# Altium PCB OMD_60V_REF_1.PcbDoc (part 3 of 6)
Units mm, origin at the board's own origin, x right, y up, seen from the top; angles counter-clockwise.
Board outline 71.95 x 71.94 mm, 6 copper layers (Top Layer, L2, L3, L4, L5, Bottom Layer), stack 2.309 mm thick; 139 components, 113 nets, 809 pads, 9892 vias.
Unrouted connection lines stored in the file: 1.
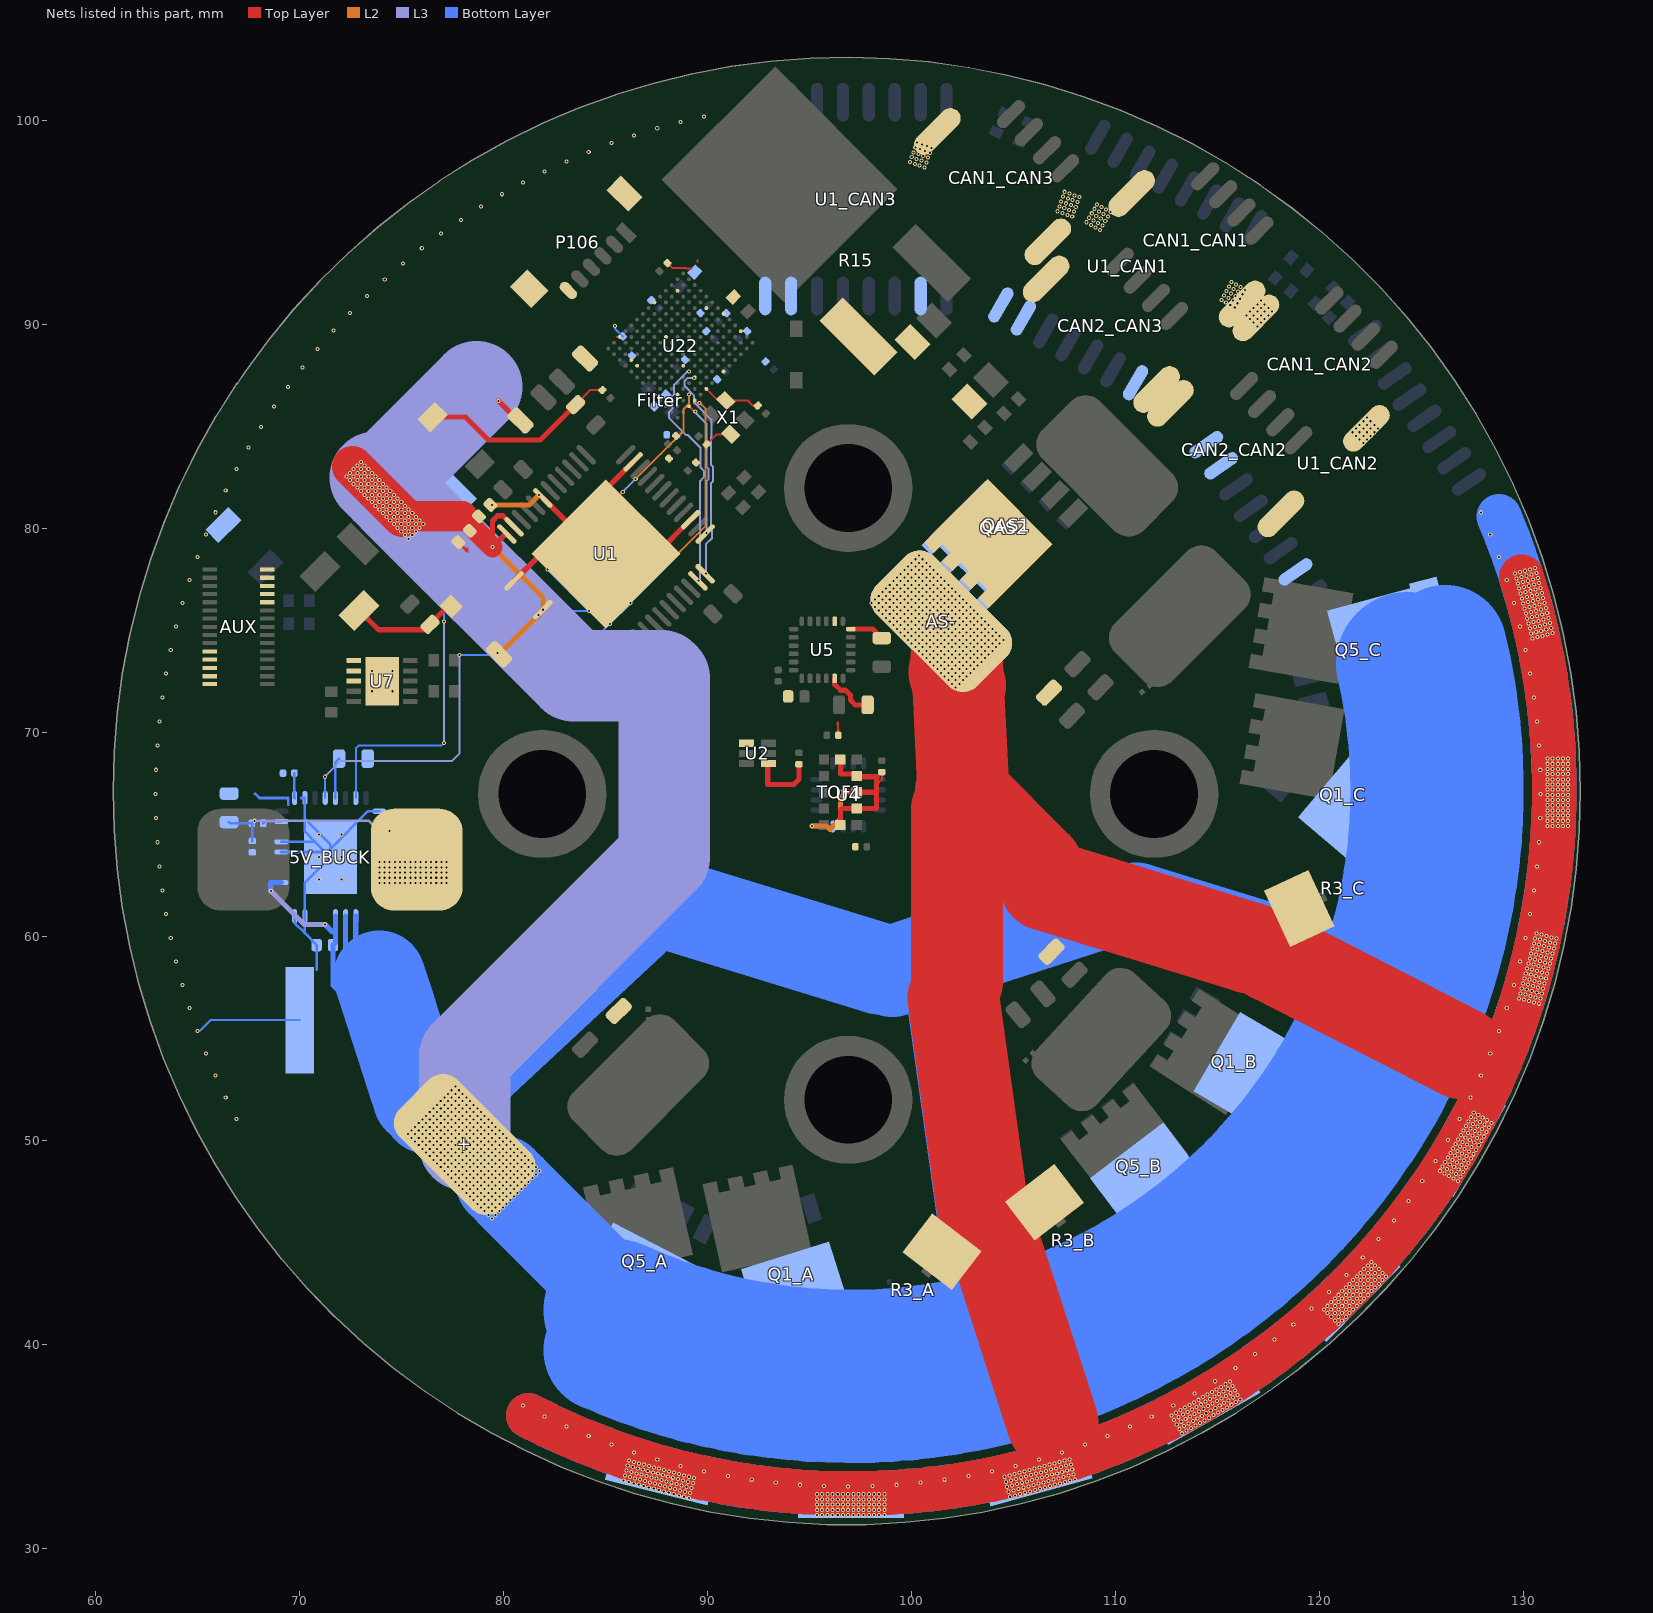
[diagram p7: the nets of this part, all layers, seen from the top]

## Via types
v1: diameter 0.2, hole 0.1, Top Layer to L2, tented both sides, 3354 vias
v2: diameter 0.2, hole 0.1, L2 to L3, tented both sides, 3246 vias
v3: diameter 0.2, hole 0.1, L3 to Bottom Layer, tented both sides, 3236 vias
v4: diameter 0.2, hole 0.1, L2 to L3, 40 vias
v5: diameter 0.2, hole 0.1, L3 to Bottom Layer, 8 vias
v6: diameter 0.2, hole 0.1, Top Layer to L2, 6 vias
v7: diameter 0.2, hole 0.1, Top Layer to L3, 2 vias

## Nets (pads, with @x,y where several pads share a name; then routed paths per layer and width w, separated by ;. In a path a pad name is that pad's centre, name@x,y a point inside that pad or via, vN(x,y) a via of type N, cw(c..) or ccw(c..) an arc to the next point about the centre after c; other vN are vias at no path point) (continued)
GND: (continued)
  other v3: 95.377,31.623 95.631,31.623 95.885,31.623 96.139,31.623 96.393,31.623 96.647,31.623 96.901,31.623 97.155,31.623 97.409,31.623 97.663,31.623 97.917,31.623 98.171,31.623 98.425,31.623 98.679,31.623 95.377,31.877 95.631,31.877 95.885,31.877 96.139,31.877 96.393,31.877 96.647,31.877 96.901,31.877 97.155,31.877 97.409,31.877 97.663,31.877 97.917,31.877 98.171,31.877 98.425,31.877 98.679,31.877 95.377,32.131 95.631,32.131 95.885,32.131 96.139,32.131 96.393,32.131 96.647,32.131 96.901,32.131 97.155,32.131 97.409,32.131 97.663,32.131 97.917,32.131 98.171,32.131 98.425,32.131 98.679,32.131 95.377,32.385 95.631,32.385 95.885,32.385 96.139,32.385 96.393,32.385 96.647,32.385 96.901,32.385 97.155,32.385 97.409,32.385 97.663,32.385 97.917,32.385 98.171,32.385 98.425,32.385 98.679,32.385 89.089,32.45 88.844,32.516 104.831,32.516 88.598,32.582 105.077,32.582 88.353,32.647 95.377,32.639 95.631,32.639 95.885,32.639 96.139,32.639 96.393,32.639 96.647,32.639 96.901,32.639 97.155,32.639 97.409,32.639 97.663,32.639 97.917,32.639 98.171,32.639 98.425,32.639 98.679,32.639 105.322,32.647 89.155,32.695 88.108,32.713 105.567,32.713 88.909,32.761 104.766,32.761 87.862,32.779 105.813,32.779 88.664,32.827 105.011,32.827 87.617,32.845 106.058,32.845 88.419,32.893 105.256,32.893 87.372,32.91 106.304,32.91 89.22,32.941 87.126,32.976 88.173,32.958 105.502,32.958 106.549,32.976 88.975,33.007 104.7,33.007 87.928,33.024 96.903,33.02 105.747,33.024 86.881,33.042 95.718,33.041 98.088,33.041 106.794,33.042 88.73,33.072 104.945,33.072 86.635,33.108 87.683,33.09 94.534,33.103 99.271,33.103 105.992,33.09 107.04,33.108 87.437,33.156 88.484,33.138 105.191,33.138 106.238,33.156 86.39,33.173 107.285,33.173 88.239,33.204 89.286,33.186 93.353,33.206 100.452,33.206 105.436,33.204 87.192,33.221 106.483,33.221 86.145,33.239 89.041,33.252 104.634,33.252 107.53,33.239 87.994,33.269 105.681,33.27 85.899,33.305 86.947,33.287 106.728,33.287 107.776,33.305 87.748,33.335 88.795,33.318 104.88,33.318 105.927,33.335 86.701,33.353 92.177,33.35 101.628,33.35 106.974,33.353 88.55,33.383 105.125,33.383 108.021,33.37 87.503,33.401 106.172,33.401 86.456,33.419 89.352,33.431 107.219,33.419 88.305,33.449 105.37,33.449 86.211,33.484 87.258,33.467 106.417,33.467 107.464,33.484 88.059,33.515 89.107,33.497 104.568,33.497 105.616,33.515 87.012,33.532 91.007,33.536 102.799,33.536 106.663,33.532 85.965,33.55 88.861,33.563 104.814,33.563 107.71,33.55 87.814,33.581 105.861,33.581 86.767,33.598 106.908,33.598 107.955,33.616 88.616,33.629 105.059,33.629 86.522,33.664 87.569,33.646 106.106,33.646 107.153,33.664 87.323,33.712 88.371,33.694 105.304,33.694 106.352,33.712 86.276,33.73 107.399,33.73 88.125,33.76 89.843,33.762 103.962,33.762 105.55,33.76 87.078,33.778 106.597,33.778 86.031,33.795 107.644,33.795 86.833,33.844 87.88,33.826 105.795,33.826 106.842,33.844 107.889,33.861 87.635,33.892 106.041,33.892 86.587,33.909 107.088,33.909 87.389,33.957 106.286,33.957 86.342,33.975 107.333,33.975 87.144,34.023 106.531,34.023 86.097,34.041 88.688,34.029 105.117,34.029 107.578,34.041 86.898,34.089 106.777,34.089 107.824,34.107 86.653,34.155 107.022,34.155 86.408,34.22 107.267,34.22 86.162,34.286 107.513,34.286 87.544,34.335 106.262,34.335 107.758,34.352 86.41,34.682 107.395,34.682 85.29,35.068 108.516,35.068 84.183,35.492 109.622,35.492 113.268,35.628 113.488,35.755 113.141,35.848 113.708,35.882 83.092,35.955 110.713,35.955 113.361,35.975 113.928,36.009 113.014,36.068 113.581,36.102 114.148,36.136 113.234,36.195 113.801,36.229 114.368,36.263 112.887,36.288 113.454,36.322 114.021,36.356 114.588,36.39 113.107,36.415 82.018,36.456 111.787,36.456 113.674,36.449 114.241,36.483 112.76,36.508 114.808,36.517 113.327,36.542 113.894,36.576 114.461,36.61 112.98,36.635 115.028,36.644 113.547,36.669 114.114,36.703 114.681,36.737 113.2,36.762 115.248,36.771 113.767,36.796 114.334,36.83 114.901,36.864 113.42,36.889 115.468,36.898 113.987,36.923 114.554,36.957 80.962,36.994 112.843,36.994 115.121,36.991 113.64,37.016 115.688,37.025 114.207,37.05 114.774,37.084 115.341,37.118 113.86,37.143 115.908,37.152 114.427,37.177 114.994,37.211 115.561,37.245 114.08,37.27 116.128,37.279 114.647,37.304 115.214,37.338 115.781,37.372 114.3,37.397 114.867,37.431 115.434,37.465 116.001,37.499 114.52,37.524 113.88,37.569 115.087,37.558 115.654,37.592 114.74,37.651 115.307,37.685 115.874,37.719 114.96,37.778 115.527,37.812 115.18,37.905 115.747,37.939 115.4,38.032 115.62,38.159 114.896,38.179 115.89,38.825 116.86,39.505 117.807,40.218 118.728,40.964 120.948,40.981 120.768,41.161 121.127,41.161 120.588,41.34 120.948,41.34 121.307,41.34 120.409,41.52 120.768,41.52 121.127,41.52 121.486,41.52 120.229,41.7 120.588,41.7 120.948,41.7 121.307,41.7 121.666,41.7 119.622,41.741 120.409,41.879 120.768,41.879 121.127,41.879 121.486,41.879 121.846,41.879 120.588,42.059 120.948,42.059 121.307,42.059 121.666,42.059 122.025,42.059 120.768,42.238 121.127,42.238 121.486,42.238 121.846,42.238 122.205,42.238 120.948,42.418 121.307,42.418 121.666,42.418 122.025,42.418 122.384,42.418 120.489,42.55 121.127,42.598 121.486,42.598 121.846,42.598 122.205,42.598 122.564,42.598 121.307,42.777 121.666,42.777 122.025,42.777 122.384,42.777 122.744,42.777 121.486,42.957 121.846,42.957 122.205,42.957 122.564,42.957 122.923,42.957 121.666,43.136 122.025,43.136 122.384,43.136 122.744,43.136 123.103,43.136 121.846,43.316 122.205,43.316 122.564,43.316 122.923,43.316 123.282,43.316 121.327,43.388 122.025,43.496 122.384,43.496 122.744,43.496 123.103,43.496 122.205,43.675 122.564,43.675 122.923,43.675 122.384,43.855 122.744,43.855 122.564,44.034 122.135,44.254 122.913,45.149 123.659,46.07 124.372,47.016 125.052,47.987 126.805,47.99 126.585,48.117 126.932,48.21 126.365,48.244 126.712,48.337 126.145,48.371 127.059,48.43 126.492,48.464 125.925,48.498 126.839,48.557 126.272,48.591 127.186,48.65 126.619,48.684 126.052,48.718 126.966,48.777 126.399,48.811 127.313,48.87 126.746,48.904 126.179,48.938 125.697,48.981 127.093,48.997 126.526,49.031 127.44,49.09 126.873,49.124 126.306,49.158 127.22,49.217 126.653,49.251 127.567,49.31 127,49.344 126.433,49.378 127.347,49.437 126.78,49.471 127.694,49.53 127.127,49.564 126.56,49.598 127.474,49.657 126.907,49.691 127.821,49.75 127.254,49.784 126.687,49.818 127.601,49.877 127.034,49.911 127.948,49.97 126.308,49.997 127.381,50.004 126.814,50.038 127.728,50.097 127.161,50.131 128.075,50.19 127.508,50.224 126.941,50.258 127.855,50.317 127.288,50.351 128.202,50.41 127.635,50.444 127.068,50.478 127.982,50.537 127.415,50.571 128.329,50.63 127.762,50.664 127.195,50.698 128.109,50.757 127.542,50.791 128.456,50.85 127.889,50.884 127.322,50.918 128.236,50.977 127.669,51.011 66.923,51.034 126.882,51.034 128.016,51.104 127.449,51.138 127.796,51.231 127.576,51.358 66.385,52.09 127.42,52.09 65.884,53.164 127.921,53.164 65.421,54.255 128.384,54.255 64.996,55.361 128.809,55.361 64.61,56.482 129.195,56.482 130.779,56.689 130.534,56.755 130.289,56.821 130.043,56.887 129.798,56.952 130.845,56.935 130.6,57.001 130.354,57.066 130.109,57.132 130.911,57.18 129.864,57.198 130.665,57.246 130.42,57.312 130.175,57.377 130.976,57.425 129.929,57.443 130.731,57.491 130.486,57.557 64.264,57.615 129.541,57.615 130.24,57.623 129.995,57.688 131.042,57.671 130.797,57.737 130.552,57.802 130.306,57.868 131.108,57.916 130.061,57.934 130.863,57.982 130.617,58.048 130.372,58.113 131.174,58.162 130.127,58.179 130.928,58.227 130.683,58.293 130.438,58.359 131.239,58.407 130.192,58.424 130.994,58.473 130.749,58.538 130.503,58.604 131.305,58.652 130.258,58.67 131.06,58.718 63.957,58.76 129.848,58.76 130.814,58.784 130.569,58.849 130.324,58.915 131.371,58.898 131.126,58.963 130.88,59.029 130.635,59.095 131.437,59.143 130.39,59.161 131.191,59.209 130.946,59.274 130.701,59.34 131.502,59.388 130.455,59.406 131.257,59.454 131.012,59.52 130.766,59.585 130.521,59.651 131.568,59.634 131.323,59.699 131.077,59.765 130.832,59.831 131.634,59.879 130.587,59.897 63.69,59.915 130.115,59.915 131.389,59.945 131.143,60.01 130.898,60.076 130.653,60.142 63.464,61.078 130.341,61.078 63.279,62.249 130.526,62.249 70.964,62.777 72.064,62.777 63.134,63.425 130.671,63.425 70.964,63.877 72.064,63.877 63.031,64.606 130.774,64.606 70.964,64.977 72.064,64.977 95.123,65.405 131.191,65.405 131.445,65.405 131.699,65.405 131.953,65.405 132.207,65.405 131.191,65.659 131.445,65.659 131.699,65.659 131.953,65.659 132.207,65.659 62.969,65.789 130.836,65.789 131.191,65.913 131.445,65.913 131.699,65.913 131.953,65.913 132.207,65.913 131.191,66.167 131.445,66.167 131.699,66.167 131.953,66.167 132.207,66.167 131.191,66.421 131.445,66.421 131.699,66.421 131.953,66.421 132.207,66.421 131.191,66.675 131.445,66.675 131.699,66.675 131.953,66.675 132.207,66.675 131.191,66.929 131.445,66.929 131.699,66.929 131.953,66.929 132.207,66.929 62.948,66.974 130.857,66.974 131.191,67.183 131.445,67.183 131.699,67.183 131.953,67.183 132.207,67.183 131.191,67.437 131.445,67.437 131.699,67.437 131.953,67.437 132.207,67.437 131.191,67.691 131.445,67.691 131.699,67.691 131.953,67.691 132.207,67.691 131.191,67.945 131.445,67.945 131.699,67.945 131.953,67.945 132.207,67.945 62.969,68.159 130.836,68.159 131.191,68.199 131.445,68.199 131.699,68.199 131.953,68.199 132.207,68.199 131.191,68.453 131.445,68.453 131.699,68.453 131.953,68.453 132.207,68.453 131.191,68.707 131.445,68.707 131.699,68.707 131.953,68.707 132.207,68.707 63.031,69.343 130.774,69.343 63.134,70.523 130.671,70.523 63.279,71.7 130.526,71.7 73.553,72.009 74.553,72.009 102.175,72.196 101.995,72.376 102.355,72.376 101.816,72.555 102.175,72.555 102.534,72.555 101.636,72.735 101.995,72.735 102.355,72.735 102.714,72.735 63.464,72.87 130.341,72.87 101.456,72.915 101.816,72.915 102.175,72.915 102.534,72.915 102.893,72.915 73.553,73.009 74.553,73.009 101.277,73.094 101.636,73.094 101.995,73.094 102.355,73.094 102.714,73.094 103.073,73.094 101.097,73.274 101.456,73.274 101.816,73.274 102.175,73.274 102.534,73.274 102.893,73.274 103.253,73.274 100.918,73.453 101.277,73.453 101.636,73.453 101.995,73.453 102.355,73.453 102.714,73.453 103.073,73.453 103.432,73.453 100.738,73.633 101.097,73.633 101.456,73.633 101.816,73.633 102.175,73.633 102.534,73.633 102.893,73.633 103.253,73.633 103.612,73.633 100.558,73.813 100.918,73.813 101.277,73.813 101.636,73.813 101.995,73.813 102.355,73.813 102.714,73.813 103.073,73.813 103.432,73.813 103.791,73.813 100.379,73.992 100.738,73.992 101.097,73.992 101.456,73.992 101.816,73.992 102.175,73.992 102.534,73.992 102.893,73.992 103.253,73.992 103.612,73.992 103.971,73.992 63.69,74.034 130.115,74.034 100.199,74.172 100.558,74.172 100.918,74.172 101.277,74.172 101.636,74.172 101.995,74.172 102.355,74.172 102.714,74.172 103.073,74.172 103.432,74.172 103.791,74.172 104.151,74.172 100.02,74.351 100.379,74.351 100.738,74.351 101.097,74.351 101.456,74.351 101.816,74.351 102.175,74.351 102.534,74.351 102.893,74.351 103.253,74.351 103.612,74.351 103.971,74.351 104.33,74.351 99.84,74.531 100.199,74.531 100.558,74.531 100.918,74.531 101.277,74.531 101.636,74.531 101.995,74.531 102.355,74.531 102.714,74.531 103.073,74.531 103.432,74.531 103.791,74.531 104.151,74.531 104.51,74.531 130.46,74.596 130.705,74.662 99.66,74.711 100.02,74.711 100.379,74.711 100.738,74.711 101.097,74.711 101.456,74.711 101.816,74.711 102.175,74.711 102.534,74.711 102.893,74.711 103.253,74.711 103.612,74.711 103.971,74.711 104.33,74.711 130.95,74.728 131.196,74.794 130.394,74.842 131.441,74.859 99.481,74.89 99.84,74.89 100.199,74.89 100.558,74.89 100.918,74.89 101.277,74.89 101.636,74.89 101.995,74.89 102.355,74.89 102.714,74.89 103.073,74.89 103.432,74.89 103.791,74.89 104.151,74.89 130.639,74.908 130.885,74.973 131.13,75.039 99.301,75.07 99.66,75.07 100.02,75.07 100.379,75.07 100.738,75.07 101.097,75.07 101.456,75.07 101.816,75.07 102.175,75.07 102.534,75.07 102.893,75.07 103.253,75.07 103.612,75.07 103.971,75.07 130.328,75.087 131.375,75.105 130.574,75.153 63.957,75.188 129.848,75.188 130.819,75.219 99.122,75.249 99.481,75.249 99.84,75.249 100.199,75.249 100.558,75.249 100.918,75.249 101.277,75.249 101.636,75.249 101.995,75.249 102.355,75.249 102.714,75.249 103.073,75.249 103.432,75.249 103.791,75.249 131.064,75.284 130.263,75.332 131.31,75.35 130.508,75.398 98.942,75.429 99.301,75.429 99.66,75.429 100.02,75.429 100.379,75.429 100.738,75.429 101.097,75.429 101.456,75.429 101.816,75.429 102.175,75.429 102.534,75.429 102.893,75.429 103.253,75.429 103.612,75.429 130.753,75.464 130.999,75.53 130.197,75.578 131.244,75.595 98.762,75.609 99.122,75.609 99.481,75.609 99.84,75.609 100.199,75.609 100.558,75.609 100.918,75.609 101.277,75.609 101.636,75.609 101.995,75.609 102.355,75.609 102.714,75.609 103.073,75.609 103.432,75.609 130.442,75.644 130.687,75.709 130.933,75.775 98.583,75.788 98.942,75.788 99.301,75.788 99.66,75.788 100.02,75.788 100.379,75.788 100.738,75.788 101.097,75.788 101.456,75.788 101.816,75.788 102.175,75.788 102.534,75.788 102.893,75.788 103.253,75.788 130.131,75.823 131.178,75.841 130.376,75.889 130.622,75.955 98.403,75.968 98.762,75.968 99.122,75.968 99.481,75.968 99.84,75.968 100.199,75.968 100.558,75.968 100.918,75.968 101.277,75.968 101.636,75.968 101.995,75.968 102.355,75.968 102.714,75.968 103.073,75.968 130.867,76.02 130.065,76.069 131.112,76.086 130.311,76.134 98.224,76.147 98.583,76.147 98.942,76.147 99.301,76.147 99.66,76.147 100.02,76.147 100.379,76.147 100.738,76.147 101.097,76.147 101.456,76.147 101.816,76.147 102.175,76.147 102.534,76.147 102.893,76.147 130.556,76.2 130.801,76.266 130,76.314 64.264,76.333 98.044,76.327 98.403,76.327 98.762,76.327 99.122,76.327 99.481,76.327 99.84,76.327 100.199,76.327 100.558,76.327 100.918,76.327 101.277,76.327 101.636,76.327 101.995,76.327 102.355,76.327 102.714,76.327 129.541,76.333 131.047,76.331 130.245,76.38 130.49,76.445 98.224,76.507 98.583,76.507 98.942,76.507 99.301,76.507 99.66,76.507 100.02,76.507 100.379,76.507 100.738,76.507 101.097,76.507 101.456,76.507 101.816,76.507 102.175,76.507 102.534,76.507 130.736,76.511 129.934,76.559 130.981,76.577 130.179,76.625 98.403,76.686 98.762,76.686 99.122,76.686 99.481,76.686 99.84,76.686 100.199,76.686 100.558,76.686 100.918,76.686 101.277,76.686 101.636,76.686 101.995,76.686 102.355,76.686 130.425,76.691 130.67,76.756 129.868,76.805 130.915,76.822 98.583,76.866 98.942,76.866 99.301,76.866 99.66,76.866 100.02,76.866 100.379,76.866 100.738,76.866 101.097,76.866 101.456,76.866 101.816,76.866 102.175,76.866 130.113,76.87 130.359,76.936 130.604,77.002 98.762,77.045 99.122,77.045 99.481,77.045 99.84,77.045 100.199,77.045 100.558,77.045 100.918,77.045 101.277,77.045 101.636,77.045 101.995,77.045 129.802,77.05 130.849,77.068 130.048,77.116 130.293,77.181 98.942,77.225 99.301,77.225 99.66,77.225 100.02,77.225 100.379,77.225 100.738,77.225 101.097,77.225 101.456,77.225 101.816,77.225 130.538,77.247 129.737,77.295 130.784,77.313 129.982,77.361 99.122,77.405 99.481,77.405 99.84,77.405 100.199,77.405 100.558,77.405 100.918,77.405 101.277,77.405 101.636,77.405 130.227,77.427 64.61,77.467 129.195,77.467 130.473,77.492 129.671,77.541 130.718,77.558 99.301,77.584 99.66,77.584 100.02,77.584 100.379,77.584 100.738,77.584 101.097,77.584 101.456,77.584 129.916,77.606 130.162,77.672 130.407,77.738 99.481,77.764 99.84,77.764 100.199,77.764 100.558,77.764 100.918,77.764 101.277,77.764 129.605,77.786 130.652,77.804 129.85,77.852 130.096,77.917 99.66,77.943 100.02,77.943 100.379,77.943 100.738,77.943 101.097,77.943 130.341,77.983 130.587,78.049 99.84,78.123 100.199,78.123 100.558,78.123 100.918,78.123 100.02,78.303 100.379,78.303 100.738,78.303 100.199,78.482 100.558,78.482 64.996,78.587 128.809,78.587 100.379,78.662 65.421,79.694 128.384,79.694 65.884,80.785 127.921,80.785 66.385,81.859 66.923,82.915 67.497,83.951 122.165,84.17 121.985,84.35 122.345,84.35 121.806,84.529 122.165,84.529 122.524,84.529 121.626,84.709 121.985,84.709 122.345,84.709 122.704,84.709 121.806,84.889 122.165,84.889 122.524,84.889 122.883,84.889 68.108,84.967 121.985,85.068 122.345,85.068 122.704,85.068 122.165,85.248 122.524,85.248 122.345,85.427 68.753,85.961 69.433,86.932 70.146,87.878 70.892,88.8 71.67,89.694 116.964,89.901 85.471,89.916 116.785,90.081 117.144,90.081 116.605,90.26 116.964,90.26 117.324,90.26 116.426,90.44 116.785,90.44 117.144,90.44 117.503,90.44 72.478,90.561 116.605,90.619 116.964,90.619 117.324,90.619 117.683,90.619 115.858,90.814 116.785,90.799 117.144,90.799 117.503,90.799 115.638,90.941 116.964,90.979 117.324,90.979 115.985,91.034 115.418,91.068 115.765,91.161 117.144,91.158 115.198,91.195 116.112,91.254 115.545,91.288 73.316,91.399 115.892,91.381 115.325,91.415 116.239,91.474 115.672,91.508 116.019,91.601 115.452,91.635 116.366,91.694 115.799,91.728 116.146,91.821 115.579,91.855 115.926,91.948 115.706,92.075 74.183,92.207 75.077,92.985 75.998,93.73 76.945,94.444 109.254,94.624 109.034,94.751 109.381,94.844 108.814,94.878 109.161,94.971 108.594,95.005 109.508,95.064 108.941,95.098 77.916,95.123 109.288,95.191 108.721,95.225 107.889,95.284 109.635,95.284 109.068,95.318 107.65,95.37 109.415,95.411 107.411,95.457 108.848,95.445 109.762,95.504 107.976,95.522 109.195,95.538 107.173,95.544 107.737,95.609 109.542,95.631 108.975,95.665 107.498,95.696 78.91,95.769 108.062,95.761 109.322,95.758 107.26,95.783 107.824,95.848 109.102,95.885 107.585,95.935 107.346,96.022 108.149,96 107.911,96.086 107.672,96.173 108.236,96.238 107.433,96.26 107.998,96.325 79.926,96.379 107.759,96.412 107.52,96.499 80.962,96.954 82.018,97.492 100.65,97.697 100.411,97.783 100.172,97.87 100.737,97.935 99.934,97.957 83.092,97.993 100.498,98.022 100.259,98.109 100.823,98.174 100.021,98.196 100.585,98.261 100.346,98.348 100.107,98.435 100.91,98.413 84.183,98.456 100.672,98.499 100.433,98.586 100.997,98.651 100.194,98.673 100.759,98.738 100.52,98.825 85.29,98.881 100.281,98.912 86.41,99.267 87.544,99.613 88.688,99.92 89.843,100.186
I_A: U1.25 U22.M13 | length 6.8
  Top Layer w0.1: U22.M13@89.101,85.987 89.363,85.725 v4(89.408,85.725) ; U1.25@89.891,79.718 v4(89.952,79.778)
  L3 w0.1: v4(89.408,85.725) 89.363,85.725 89.952,85.136 89.952,83.018 90.059,82.911 90.059,82.411 89.952,82.305 v4(89.952,79.778)
  other v1: 89.952,79.778 89.408,85.725
I_B: U1.24 U22.J11 | length 10.8
  Top Layer w0.1: U1.24@89.891,77.773 v4(89.922,77.773)
  L3 w0.1: v1(89.356,87.374) 89.039,87.374 88.877,87.211 88.877,86.982 89.351,86.507 89.351,86.155 89.377,86.129 89.396,86.129 90.2,85.325 90.2,84.479 90.179,84.458 90.179,83.112 90.286,83.005 90.286,82.317 90.179,82.211 90.179,79.943 90.229,79.893 90.229,79.517 89.922,79.21 v4(89.922,77.773)
  other v1: 89.922,77.773
  other v4: 89.356,87.374
I_C: U1.23 U22.J10 | length 11.6
  Top Layer w0.1: U1.23@89.538,77.42 v4(89.562,77.444)
  L3 w0.1: v4(89.101,87.684) 89.011,87.684 88.369,87.042 88.369,86.58 88.238,86.449 88.269,86.418 88.269,86.113 88.288,86.094 88.288,85.864 88.111,85.687 88.111,85.417 88.946,84.582 89.027,84.582 89.662,83.947 89.662,82.987 89.832,82.817 89.832,82.505 89.645,82.319 89.645,77.527 v4(89.562,77.444)
  other v1: 89.562,77.444 89.101,87.684
MCU_BATT_IN: 5V_BUCK.3 5V_BUCK.30 5V_BUCK.31 5V_BUCK.32 +.1 C6.1 C7.P$1 C10.2 C12.1 C13.P$1 C20.2 C21.2 C22.2 C23.2 C24.2 C25.2 C29.2 C30.2 C31.2 C46.2 C48.P$1 NT1.2 Q1_A.D Q1_B.D Q1_C.D Q5_A.D Q5_B.D Q5_C.D R16.2 U1.6 U1.47 U1.48 | length 311.3
  Top Layer w0.127: 72.432,83.008 72.6,82.84 72.758,82.682 72.78,82.66 72.959,82.481 73.027,82.413
  Top Layer w0.254: 72.351,83.025 72.605,83.025 ; C13.P$1@78.574,79.966 C13.P$1@78.574,79.977 ; v4(79.756,86.233) 80.705,85.284 R16.2@80.843,85.284 ; U1.48@80.169,79.718 80.104,79.718 v1(79.463,79.077) 79.463,80.358 79.717,80.612 79.971,80.612 80.512,80.071 U1.47@80.522,80.071 ; v1(81.717,75.754) 81.717,75.786 v1(81.936,76.005)
  Top Layer w1: 77.968,80.583 C13.P$1@78.574,79.977 ; C13.P$1@78.574,79.966 v1(79.463,79.077)
  Top Layer w1.5: v1@75.047,80.583 77.968,80.583
  Top Layer w2: 72.605,83.025 v1@75.047,80.583
  L2 w0.254: v1@79.463,79.088 81.936,76.615 v1(81.936,76.005) ; v1(79.717,73.881) 79.844,73.881 v1(81.717,75.754)
  L3 w0.254: v3(68.596,62.214) 70.231,60.579 v3(71.247,60.579)
  L3 w4.5: 78.105,49.784 78.105,54.102 87.884,63.881 87.884,72.644 87.757,72.771 83.439,72.771 74.961,81.249 74.242,81.968 73.724,82.486 74.236,82.486 78.684,86.935
  Bottom Layer w0.1: C12.1@73.086,82.484 C6.1@75.499,80.071 ; Q5_A.D@85.472,41.663 Q5_A.D@85.472,42.417
  Bottom Layer w0.254: v3(68.596,62.214) 68.596,62.627 5V_BUCK.3@69.114,62.627 ; v3(71.247,60.579) 71.628,60.198 71.764,60.198 ; 5V_BUCK.32@71.764,60.977 71.764,60.198 ; 5V_BUCK.31@72.264,60.977 72.264,56.982 ; 5V_BUCK.30@72.764,60.977 72.764,56.482 72.264,56.982 ; C46.2@74.415,56.482 74.42,56.477 C46.2@75.017,55.88 75.017,54.632 75.017,52.872 +.1@75.86,52.029 ; 71.764,60.198 71.764,59.68 C48.P$1@71.647,59.563 71.647,57.599 72.264,56.982
  Bottom Layer w4.5: 73.914,58.039 74.42,56.477 74.651,55.762 75.017,54.632 75.682,52.579 75.771,52.304 75.854,52.047 75.856,52.041 +.1@75.86,52.029 ; +.1@76.697,51.784 76.703,51.79 76.71,51.796 76.717,51.802 76.723,51.808 +.1@76.73,51.815 ; +.1@76.73,51.815 76.737,51.821 76.743,51.827 76.75,51.834 76.883,51.957 76.889,51.963 76.896,51.969 +.1@76.902,51.975 ; +.1@76.903,51.975 76.909,51.982 76.916,51.988 76.923,51.994 +.1@76.929,52 ; +.1@76.93,52.001 76.936,52.006 77.068,52.13 77.075,52.136 77.082,52.142 +.1@77.088,52.148 ; +.1@77.088,52.148 +.1@77.095,52.154 ; +.1@77.095,52.155 77.102,52.161 77.108,52.167 77.115,52.173 77.122,52.179 77.128,52.186 77.254,52.303 77.261,52.309 +.1@77.267,52.315 ; +.1@77.268,52.315 77.274,52.321 77.281,52.327 77.287,52.334 77.294,52.34 +.1@77.3,52.346 ; +.1@77.301,52.346 +.1@77.307,52.352 ; +.1@77.308,52.353 77.314,52.359 77.44,52.476 77.447,52.482 77.453,52.488 77.46,52.494 77.467,52.5 77.473,52.507 77.48,52.513 +.1@77.487,52.519 ; +.1@77.487,52.519 77.493,52.525 +.1@77.499,52.531 ; +.1@77.5,52.531 77.626,52.648 77.632,52.655 77.639,52.661 +.1@77.646,52.667 ; +.1@77.646,52.667 77.653,52.673 77.659,52.679 77.666,52.686 +.1@77.673,52.692 ; +.1@77.673,52.692 77.679,52.698 +.1@77.686,52.704 ; +.1@77.686,52.704 77.839,52.847 87.376,61.722 ; +.1@80.35,47.539 Q5_A.D@85.472,42.417 ; 88.44,61.484 98.425,58.42 ; 99.06,58.293 108.996,61.51 ; 101.854,58.166 104.368,40.146 104.44,39.627 ; 111.046,61.357 123.337,57.585 123.718,57.469
  Bottom Layer w6: 84.97,39.697 ccw(c97.028,67.167) C25.2@126.188,74.217
  Bottom Layer w7: Q5_A.D@85.472,41.663 ccw(c97.028,67.167) 104.368,40.146 ccw(c97.028,67.167) 123.337,57.585 ccw(c97.028,67.167) Q5_C.D@124.333,73.366
  other v1: 79.442,46.161 79.262,46.341 79.622,46.341 79.083,46.52 79.442,46.52 79.801,46.52 78.903,46.7 79.262,46.7 79.622,46.7 79.981,46.7 78.723,46.88 79.083,46.88 79.442,46.88 79.801,46.88 80.16,46.88 78.544,47.059 78.903,47.059 79.262,47.059 79.622,47.059 79.981,47.059 80.34,47.059 78.364,47.239 78.723,47.239 79.083,47.239 79.442,47.239 79.801,47.239 80.16,47.239 80.52,47.239 78.185,47.418 78.544,47.418 78.903,47.418 79.262,47.418 79.622,47.418 79.981,47.418 80.34,47.418 80.699,47.418 78.005,47.598 78.364,47.598 78.723,47.598 79.083,47.598 79.442,47.598 79.801,47.598 80.16,47.598 80.52,47.598 80.879,47.598 77.825,47.778 78.185,47.778 78.544,47.778 78.903,47.778 79.262,47.778 79.622,47.778 79.981,47.778 80.34,47.778 80.699,47.778 81.058,47.778 77.646,47.957 78.005,47.957 78.364,47.957 78.723,47.957 79.083,47.957 79.442,47.957 79.801,47.957 80.16,47.957 80.52,47.957 80.879,47.957 81.238,47.957 77.466,48.137 77.825,48.137 78.185,48.137 78.544,48.137 78.903,48.137 79.262,48.137 79.622,48.137 79.981,48.137 80.34,48.137 80.699,48.137 81.058,48.137 81.418,48.137 77.287,48.316 77.646,48.316 78.005,48.316 78.364,48.316 78.723,48.316 79.083,48.316 79.442,48.316 79.801,48.316 80.16,48.316 80.52,48.316 80.879,48.316 81.238,48.316 81.597,48.316 77.107,48.496 77.466,48.496 77.825,48.496 78.185,48.496 78.544,48.496 78.903,48.496 79.262,48.496 79.622,48.496 79.981,48.496 80.34,48.496 80.699,48.496 81.058,48.496 81.418,48.496 81.777,48.496 76.927,48.676 77.287,48.676 77.646,48.676 78.005,48.676 78.364,48.676 78.723,48.676 79.083,48.676 79.442,48.676 79.801,48.676 80.16,48.676 80.52,48.676 80.879,48.676 81.238,48.676 81.597,48.676 76.748,48.855 77.107,48.855 77.466,48.855 77.825,48.855 78.185,48.855 78.544,48.855 78.903,48.855 79.262,48.855 79.622,48.855 79.981,48.855 80.34,48.855 80.699,48.855 81.058,48.855 81.418,48.855 76.568,49.035 76.927,49.035 77.287,49.035 77.646,49.035 78.005,49.035 78.364,49.035 78.723,49.035 79.083,49.035 79.442,49.035 79.801,49.035 80.16,49.035 80.52,49.035 80.879,49.035 81.238,49.035 76.389,49.214 76.748,49.214 77.107,49.214 77.466,49.214 77.825,49.214 78.185,49.214 78.544,49.214 78.903,49.214 79.262,49.214 79.622,49.214 79.981,49.214 80.34,49.214 80.699,49.214 81.058,49.214 76.209,49.394 76.568,49.394 76.927,49.394 77.287,49.394 77.646,49.394 78.005,49.394 78.364,49.394 78.723,49.394 79.083,49.394 79.442,49.394 79.801,49.394 80.16,49.394 80.52,49.394 80.879,49.394 76.029,49.574 76.389,49.574 76.748,49.574 77.107,49.574 77.466,49.574 77.825,49.574 78.185,49.574 78.544,49.574 78.903,49.574 79.262,49.574 79.622,49.574 79.981,49.574 80.34,49.574 80.699,49.574 75.85,49.753 76.209,49.753 76.568,49.753 76.927,49.753 77.287,49.753 77.646,49.753 78.005,49.753 78.364,49.753 78.723,49.753 79.083,49.753 79.442,49.753 79.801,49.753 80.16,49.753 80.52,49.753 75.67,49.933 76.029,49.933 76.389,49.933 76.748,49.933 77.107,49.933 77.466,49.933 77.825,49.933 78.185,49.933 78.544,49.933 78.903,49.933 79.262,49.933 79.622,49.933 79.981,49.933 80.34,49.933 75.491,50.112 75.85,50.112 76.209,50.112 76.568,50.112 76.927,50.112 77.287,50.112 77.646,50.112 78.005,50.112 78.364,50.112 78.723,50.112 79.083,50.112 79.442,50.112 79.801,50.112 80.16,50.112 75.311,50.292 75.67,50.292 76.029,50.292 76.389,50.292 76.748,50.292 77.107,50.292 77.466,50.292 77.825,50.292 78.185,50.292 78.544,50.292 78.903,50.292 79.262,50.292 79.622,50.292 79.981,50.292 75.491,50.472 75.85,50.472 76.209,50.472 76.568,50.472 76.927,50.472 77.287,50.472 77.646,50.472 78.005,50.472 78.364,50.472 78.723,50.472 79.083,50.472 79.442,50.472 79.801,50.472 75.67,50.651 76.029,50.651 76.389,50.651 76.748,50.651 77.107,50.651 77.466,50.651 77.825,50.651 78.185,50.651 78.544,50.651 78.903,50.651 79.262,50.651 79.622,50.651 75.85,50.831 76.209,50.831 76.568,50.831 76.927,50.831 77.287,50.831 77.646,50.831 78.005,50.831 78.364,50.831 78.723,50.831 79.083,50.831 79.442,50.831 76.029,51.01 76.389,51.01 76.748,51.01 77.107,51.01 77.466,51.01 77.825,51.01 78.185,51.01 78.544,51.01 78.903,51.01 79.262,51.01 76.209,51.19 76.568,51.19 76.927,51.19 77.287,51.19 77.646,51.19 78.005,51.19 78.364,51.19 78.723,51.19 79.083,51.19 76.389,51.37 76.748,51.37 77.107,51.37 77.466,51.37 77.825,51.37 78.185,51.37 78.544,51.37 78.903,51.37 76.568,51.549 76.927,51.549 77.287,51.549 77.646,51.549 78.005,51.549 78.364,51.549 78.723,51.549 76.748,51.729 77.107,51.729 77.466,51.729 77.825,51.729 78.185,51.729 78.544,51.729 76.927,51.908 77.287,51.908 77.646,51.908 78.005,51.908 78.364,51.908 77.107,52.088 77.466,52.088 77.825,52.088 78.185,52.088 77.287,52.268 77.646,52.268 78.005,52.268 77.466,52.447 77.825,52.447 77.646,52.627 75.351,79.484 75.171,79.664 75.53,79.664 74.992,79.843 75.351,79.843 75.71,79.843 74.812,80.023 75.171,80.023 75.53,80.023 75.89,80.023 74.632,80.202 74.992,80.202 75.351,80.202 75.71,80.202 76.069,80.202 74.453,80.382 74.812,80.382 75.171,80.382 75.53,80.382 75.89,80.382 74.273,80.562 74.632,80.562 74.992,80.562 75.351,80.562 75.71,80.562 74.094,80.741 74.453,80.741 74.812,80.741 75.171,80.741 75.53,80.741 73.914,80.921 74.273,80.921 74.632,80.921 74.992,80.921 75.351,80.921 73.734,81.1 74.094,81.1 74.453,81.1 74.812,81.1 75.171,81.1 73.555,81.28 73.914,81.28 74.273,81.28 74.632,81.28 74.992,81.28 73.375,81.46 73.734,81.46 74.094,81.46 74.453,81.46 74.812,81.46 73.196,81.639 73.555,81.639 73.914,81.639 74.273,81.639 74.632,81.639 73.016,81.819 73.375,81.819 73.734,81.819 74.094,81.819 74.453,81.819 72.836,81.998 73.196,81.998 73.555,81.998 73.914,81.998 74.273,81.998 72.657,82.178 73.016,82.178 73.375,82.178 73.734,82.178 74.094,82.178 72.477,82.358 72.836,82.358 73.196,82.358 73.555,82.358 73.914,82.358 72.298,82.537 72.657,82.537 73.016,82.537 73.375,82.537 73.734,82.537 72.477,82.717 72.836,82.717 73.196,82.717 73.555,82.717 72.657,82.896 73.016,82.896 73.375,82.896 72.836,83.076 73.196,83.076 73.016,83.256 79.756,86.233
  other v2: 79.442,46.161 79.262,46.341 79.622,46.341 79.083,46.52 79.442,46.52 79.801,46.52 78.903,46.7 79.262,46.7 79.622,46.7 79.981,46.7 78.723,46.88 79.083,46.88 79.442,46.88 79.801,46.88 80.16,46.88 78.544,47.059 78.903,47.059 79.262,47.059 79.622,47.059 79.981,47.059 80.34,47.059 78.364,47.239 78.723,47.239 79.083,47.239 79.442,47.239 79.801,47.239 80.16,47.239 80.52,47.239 78.185,47.418 78.544,47.418 78.903,47.418 79.262,47.418 79.622,47.418 79.981,47.418 80.34,47.418 80.699,47.418 78.005,47.598 78.364,47.598 78.723,47.598 79.083,47.598 79.442,47.598 79.801,47.598 80.16,47.598 80.52,47.598 80.879,47.598 77.825,47.778 78.185,47.778 78.544,47.778 78.903,47.778 79.262,47.778 79.622,47.778 79.981,47.778 80.34,47.778 80.699,47.778 81.058,47.778 77.646,47.957 78.005,47.957 78.364,47.957 78.723,47.957 79.083,47.957 79.442,47.957 79.801,47.957 80.16,47.957 80.52,47.957 80.879,47.957 81.238,47.957 77.466,48.137 77.825,48.137 78.185,48.137 78.544,48.137 78.903,48.137 79.262,48.137 79.622,48.137 79.981,48.137 80.34,48.137 80.699,48.137 81.058,48.137 81.418,48.137 77.287,48.316 77.646,48.316 78.005,48.316 78.364,48.316 78.723,48.316 79.083,48.316 79.442,48.316 79.801,48.316 80.16,48.316 80.52,48.316 80.879,48.316 81.238,48.316 81.597,48.316 77.107,48.496 77.466,48.496 77.825,48.496 78.185,48.496 78.544,48.496 78.903,48.496 79.262,48.496 79.622,48.496 79.981,48.496 80.34,48.496 80.699,48.496 81.058,48.496 81.418,48.496 81.777,48.496 76.927,48.676 77.287,48.676 77.646,48.676 78.005,48.676 78.364,48.676 78.723,48.676 79.083,48.676 79.442,48.676 79.801,48.676 80.16,48.676 80.52,48.676 80.879,48.676 81.238,48.676 81.597,48.676 76.748,48.855 77.107,48.855 77.466,48.855 77.825,48.855 78.185,48.855 78.544,48.855 78.903,48.855 79.262,48.855 79.622,48.855 79.981,48.855 80.34,48.855 80.699,48.855 81.058,48.855 81.418,48.855 76.568,49.035 76.927,49.035 77.287,49.035 77.646,49.035 78.005,49.035 78.364,49.035 78.723,49.035 79.083,49.035 79.442,49.035 79.801,49.035 80.16,49.035 80.52,49.035 80.879,49.035 81.238,49.035 76.389,49.214 76.748,49.214 77.107,49.214 77.466,49.214 77.825,49.214 78.185,49.214 78.544,49.214 78.903,49.214 79.262,49.214 79.622,49.214 79.981,49.214 80.34,49.214 80.699,49.214 81.058,49.214 76.209,49.394 76.568,49.394 76.927,49.394 77.287,49.394 77.646,49.394 78.005,49.394 78.364,49.394 78.723,49.394 79.083,49.394 79.442,49.394 79.801,49.394 80.16,49.394 80.52,49.394 80.879,49.394 76.029,49.574 76.389,49.574 76.748,49.574 77.107,49.574 77.466,49.574 77.825,49.574 78.185,49.574 78.544,49.574 78.903,49.574 79.262,49.574 79.622,49.574 79.981,49.574 80.34,49.574 80.699,49.574 75.85,49.753 76.209,49.753 76.568,49.753 76.927,49.753 77.287,49.753 77.646,49.753 78.005,49.753 78.364,49.753 78.723,49.753 79.083,49.753 79.442,49.753 79.801,49.753 80.16,49.753 80.52,49.753 75.67,49.933 76.029,49.933 76.389,49.933 76.748,49.933 77.107,49.933 77.466,49.933 77.825,49.933 78.185,49.933 78.544,49.933 78.903,49.933 79.262,49.933 79.622,49.933 79.981,49.933 80.34,49.933 75.491,50.112 75.85,50.112 76.209,50.112 76.568,50.112 76.927,50.112 77.287,50.112 77.646,50.112 78.005,50.112 78.364,50.112 78.723,50.112 79.083,50.112 79.442,50.112 79.801,50.112 80.16,50.112 75.311,50.292 75.67,50.292 76.029,50.292 76.389,50.292 76.748,50.292 77.107,50.292 77.466,50.292 77.825,50.292 78.185,50.292 78.544,50.292 78.903,50.292 79.262,50.292 79.622,50.292 79.981,50.292 75.491,50.472 75.85,50.472 76.209,50.472 76.568,50.472 76.927,50.472 77.287,50.472 77.646,50.472 78.005,50.472 78.364,50.472 78.723,50.472 79.083,50.472 79.442,50.472 79.801,50.472 75.67,50.651 76.029,50.651 76.389,50.651 76.748,50.651 77.107,50.651 77.466,50.651 77.825,50.651 78.185,50.651 78.544,50.651 78.903,50.651 79.262,50.651 79.622,50.651 75.85,50.831 76.209,50.831 76.568,50.831 76.927,50.831 77.287,50.831 77.646,50.831 78.005,50.831 78.364,50.831 78.723,50.831 79.083,50.831 79.442,50.831 76.029,51.01 76.389,51.01 76.748,51.01 77.107,51.01 77.466,51.01 77.825,51.01 78.185,51.01 78.544,51.01 78.903,51.01 79.262,51.01 76.209,51.19 76.568,51.19 76.927,51.19 77.287,51.19 77.646,51.19 78.005,51.19 78.364,51.19 78.723,51.19 79.083,51.19 76.389,51.37 76.748,51.37 77.107,51.37 77.466,51.37 77.825,51.37 78.185,51.37 78.544,51.37 78.903,51.37 76.568,51.549 76.927,51.549 77.287,51.549 77.646,51.549 78.005,51.549 78.364,51.549 78.723,51.549 76.748,51.729 77.107,51.729 77.466,51.729 77.825,51.729 78.185,51.729 78.544,51.729 76.927,51.908 77.287,51.908 77.646,51.908 78.005,51.908 78.364,51.908 77.107,52.088 77.466,52.088 77.825,52.088 78.185,52.088 77.287,52.268 77.646,52.268 78.005,52.268 77.466,52.447 77.825,52.447 77.646,52.627 75.351,79.484 75.171,79.664 75.53,79.664 74.992,79.843 75.351,79.843 75.71,79.843 74.812,80.023 75.171,80.023 75.53,80.023 75.89,80.023 74.632,80.202 74.992,80.202 75.351,80.202 75.71,80.202 76.069,80.202 74.453,80.382 74.812,80.382 75.171,80.382 75.53,80.382 75.89,80.382 74.273,80.562 74.632,80.562 74.992,80.562 75.351,80.562 75.71,80.562 74.094,80.741 74.453,80.741 74.812,80.741 75.171,80.741 75.53,80.741 73.914,80.921 74.273,80.921 74.632,80.921 74.992,80.921 75.351,80.921 73.734,81.1 74.094,81.1 74.453,81.1 74.812,81.1 75.171,81.1 73.555,81.28 73.914,81.28 74.273,81.28 74.632,81.28 74.992,81.28 73.375,81.46 73.734,81.46 74.094,81.46 74.453,81.46 74.812,81.46 73.196,81.639 73.555,81.639 73.914,81.639 74.273,81.639 74.632,81.639 73.016,81.819 73.375,81.819 73.734,81.819 74.094,81.819 74.453,81.819 72.836,81.998 73.196,81.998 73.555,81.998 73.914,81.998 74.273,81.998 72.657,82.178 73.016,82.178 73.375,82.178 73.734,82.178 74.094,82.178 72.477,82.358 72.836,82.358 73.196,82.358 73.555,82.358 73.914,82.358 72.298,82.537 72.657,82.537 73.016,82.537 73.375,82.537 73.734,82.537 72.477,82.717 72.836,82.717 73.196,82.717 73.555,82.717 72.657,82.896 73.016,82.896 73.375,82.896 72.836,83.076 73.196,83.076 73.016,83.256
  other v3: 79.442,46.161 79.262,46.341 79.622,46.341 79.083,46.52 79.442,46.52 79.801,46.52 78.903,46.7 79.262,46.7 79.622,46.7 79.981,46.7 78.723,46.88 79.083,46.88 79.442,46.88 79.801,46.88 80.16,46.88 78.544,47.059 78.903,47.059 79.262,47.059 79.622,47.059 79.981,47.059 80.34,47.059 78.364,47.239 78.723,47.239 79.083,47.239 79.442,47.239 79.801,47.239 80.16,47.239 80.52,47.239 78.185,47.418 78.544,47.418 78.903,47.418 79.262,47.418 79.622,47.418 79.981,47.418 80.34,47.418 80.699,47.418 78.005,47.598 78.364,47.598 78.723,47.598 79.083,47.598 79.442,47.598 79.801,47.598 80.16,47.598 80.52,47.598 80.879,47.598 77.825,47.778 78.185,47.778 78.544,47.778 78.903,47.778 79.262,47.778 79.622,47.778 79.981,47.778 80.34,47.778 80.699,47.778 81.058,47.778 77.646,47.957 78.005,47.957 78.364,47.957 78.723,47.957 79.083,47.957 79.442,47.957 79.801,47.957 80.16,47.957 80.52,47.957 80.879,47.957 81.238,47.957 77.466,48.137 77.825,48.137 78.185,48.137 78.544,48.137 78.903,48.137 79.262,48.137 79.622,48.137 79.981,48.137 80.34,48.137 80.699,48.137 81.058,48.137 81.418,48.137 77.287,48.316 77.646,48.316 78.005,48.316 78.364,48.316 78.723,48.316 79.083,48.316 79.442,48.316 79.801,48.316 80.16,48.316 80.52,48.316 80.879,48.316 81.238,48.316 81.597,48.316 77.107,48.496 77.466,48.496 77.825,48.496 78.185,48.496 78.544,48.496 78.903,48.496 79.262,48.496 79.622,48.496 79.981,48.496 80.34,48.496 80.699,48.496 81.058,48.496 81.418,48.496 81.777,48.496 76.927,48.676 77.287,48.676 77.646,48.676 78.005,48.676 78.364,48.676 78.723,48.676 79.083,48.676 79.442,48.676 79.801,48.676 80.16,48.676 80.52,48.676 80.879,48.676 81.238,48.676 81.597,48.676 76.748,48.855 77.107,48.855 77.466,48.855 77.825,48.855 78.185,48.855 78.544,48.855 78.903,48.855 79.262,48.855 79.622,48.855 79.981,48.855 80.34,48.855 80.699,48.855 81.058,48.855 81.418,48.855 76.568,49.035 76.927,49.035 77.287,49.035 77.646,49.035 78.005,49.035 78.364,49.035 78.723,49.035 79.083,49.035 79.442,49.035 79.801,49.035 80.16,49.035 80.52,49.035 80.879,49.035 81.238,49.035 76.389,49.214 76.748,49.214 77.107,49.214 77.466,49.214 77.825,49.214 78.185,49.214 78.544,49.214 78.903,49.214 79.262,49.214 79.622,49.214 79.981,49.214 80.34,49.214 80.699,49.214 81.058,49.214 76.209,49.394 76.568,49.394 76.927,49.394 77.287,49.394 77.646,49.394 78.005,49.394 78.364,49.394 78.723,49.394 79.083,49.394 79.442,49.394 79.801,49.394 80.16,49.394 80.52,49.394 80.879,49.394 76.029,49.574 76.389,49.574 76.748,49.574 77.107,49.574 77.466,49.574 77.825,49.574 78.185,49.574 78.544,49.574 78.903,49.574 79.262,49.574 79.622,49.574 79.981,49.574 80.34,49.574 80.699,49.574 75.85,49.753 76.209,49.753 76.568,49.753 76.927,49.753 77.287,49.753 77.646,49.753 78.005,49.753 78.364,49.753 78.723,49.753 79.083,49.753 79.442,49.753 79.801,49.753 80.16,49.753 80.52,49.753 75.67,49.933 76.029,49.933 76.389,49.933 76.748,49.933 77.107,49.933 77.466,49.933 77.825,49.933 78.185,49.933 78.544,49.933 78.903,49.933 79.262,49.933 79.622,49.933 79.981,49.933 80.34,49.933 75.491,50.112 75.85,50.112 76.209,50.112 76.568,50.112 76.927,50.112 77.287,50.112 77.646,50.112 78.005,50.112 78.364,50.112 78.723,50.112 79.083,50.112 79.442,50.112 79.801,50.112 80.16,50.112 75.311,50.292 75.67,50.292 76.029,50.292 76.389,50.292 76.748,50.292 77.107,50.292 77.466,50.292 77.825,50.292 78.185,50.292 78.544,50.292 78.903,50.292 79.262,50.292 79.622,50.292 79.981,50.292 75.491,50.472 75.85,50.472 76.209,50.472 76.568,50.472 76.927,50.472 77.287,50.472 77.646,50.472 78.005,50.472 78.364,50.472 78.723,50.472 79.083,50.472 79.442,50.472 79.801,50.472 75.67,50.651 76.029,50.651 76.389,50.651 76.748,50.651 77.107,50.651 77.466,50.651 77.825,50.651 78.185,50.651 78.544,50.651 78.903,50.651 79.262,50.651 79.622,50.651 75.85,50.831 76.209,50.831 76.568,50.831 76.927,50.831 77.287,50.831 77.646,50.831 78.005,50.831 78.364,50.831 78.723,50.831 79.083,50.831 79.442,50.831 76.029,51.01 76.389,51.01 76.748,51.01 77.107,51.01 77.466,51.01 77.825,51.01 78.185,51.01 78.544,51.01 78.903,51.01 79.262,51.01 76.209,51.19 76.568,51.19 76.927,51.19 77.287,51.19 77.646,51.19 78.005,51.19 78.364,51.19 78.723,51.19 79.083,51.19 76.389,51.37 76.748,51.37 77.107,51.37 77.466,51.37 77.825,51.37 78.185,51.37 78.544,51.37 78.903,51.37 76.568,51.549 76.927,51.549 77.287,51.549 77.646,51.549 78.005,51.549 78.364,51.549 78.723,51.549 76.748,51.729 77.107,51.729 77.466,51.729 77.825,51.729 78.185,51.729 78.544,51.729 76.927,51.908 77.287,51.908 77.646,51.908 78.005,51.908 78.364,51.908 77.107,52.088 77.466,52.088 77.825,52.088 78.185,52.088 77.287,52.268 77.646,52.268 78.005,52.268 77.466,52.447 77.825,52.447 77.646,52.627 75.351,79.484 75.171,79.664 75.53,79.664 74.992,79.843 75.351,79.843 75.71,79.843 74.812,80.023 75.171,80.023 75.53,80.023 75.89,80.023 74.632,80.202 74.992,80.202 75.351,80.202 75.71,80.202 76.069,80.202 74.453,80.382 74.812,80.382 75.171,80.382 75.53,80.382 75.89,80.382 74.273,80.562 74.632,80.562 74.992,80.562 75.351,80.562 75.71,80.562 74.094,80.741 74.453,80.741 74.812,80.741 75.171,80.741 75.53,80.741 73.914,80.921 74.273,80.921 74.632,80.921 74.992,80.921 75.351,80.921 73.734,81.1 74.094,81.1 74.453,81.1 74.812,81.1 75.171,81.1 73.555,81.28 73.914,81.28 74.273,81.28 74.632,81.28 74.992,81.28 73.375,81.46 73.734,81.46 74.094,81.46 74.453,81.46 74.812,81.46 73.196,81.639 73.555,81.639 73.914,81.639 74.273,81.639 74.632,81.639 73.016,81.819 73.375,81.819 73.734,81.819 74.094,81.819 74.453,81.819 72.836,81.998 73.196,81.998 73.555,81.998 73.914,81.998 74.273,81.998 72.657,82.178 73.016,82.178 73.375,82.178 73.734,82.178 74.094,82.178 72.477,82.358 72.836,82.358 73.196,82.358 73.555,82.358 73.914,82.358 72.298,82.537 72.657,82.537 73.016,82.537 73.375,82.537 73.734,82.537 72.477,82.717 72.836,82.717 73.196,82.717 73.555,82.717 72.657,82.896 73.016,82.896 73.375,82.896 72.836,83.076 73.196,83.076 73.016,83.256
Net5V_BUCK_9: 5V_BUCK.9 R22.2 | length 0.9
  Bottom Layer w0.127: R22.2@68.225,65.532 68.32,65.627 5V_BUCK.9@69.114,65.627
Net5V_BUCK_11: 5V_BUCK.11 R23.2 | length 1.2
  Bottom Layer w0.127: R23.2@69.754,67.996 69.754,66.787 5V_BUCK.11@69.764,66.777
Net5V_BUCK_14: 5V_BUCK.14 U22.L13 | length 34.1
  Top Layer w0.1: U22.L13@89.384,86.27 89.51,86.143 v6(89.625,86.143)
  L2 w0.1: v4(86.233,76.327) 86.233,76.451 89.916,80.134 89.916,85.852 v6(89.625,86.143)
  L3 w0.1: v5(71.247,67.818) 72.009,68.58 77.47,68.58 77.851,68.961 v5(77.851,73.787) ; v5(85.217,75.311) v4(86.233,76.327)
  Bottom Layer w0.1: v5(71.247,67.818) 71.264,67.801 5V_BUCK.14@71.264,66.777 ; v5(77.851,73.787) 83.693,73.787 v5(85.217,75.311)
Net5V_BUCK_15: 5V_BUCK.15 C53.2 | length 2
  Bottom Layer w0.127: 5V_BUCK.15@71.764,66.777 71.764,68.527 C53.2@71.944,68.707
Net5V_BUCK_17: 5V_BUCK.17 U22.L12 | length 34.8
  L2 w0.1: v4(82.169,77.978) 82.169,78.105 v4(85.852,81.788) ; v4(86.487,82.423) 87.734,83.67 87.745,83.67 88.829,84.755 88.829,85.835 89.101,86.106 v6(89.101,86.553)
  L3 w0.1: v5(77.089,69.469) v5(77.089,75.438) ; v4(82.169,77.978) v5(84.201,75.946) ; v4(85.852,81.788) v4(86.487,82.423)
  Bottom Layer w0.1: 5V_BUCK.17@72.764,66.777 72.764,69.208 72.898,69.342 76.962,69.342 v5(77.089,69.469) ; v5(77.089,75.438) 77.089,75.946 v5(84.201,75.946)
Net5V_BUCK_21: 5V_BUCK.21 C16.2 C47.2 R22.1 | length 9.6
  L3 w0.127: v5(67.792,65.659) 73.406,65.659 73.914,65.151 v5(74.422,65.151)
  Bottom Layer w0.127: C47.2@66.548,65.594 66.61,65.532 R22.1@67.665,65.532 ; C16.2@67.691,64.669 67.691,65.506 R22.1@67.665,65.532 ; v5(67.792,65.659) R22.1@67.665,65.532 ; 5V_BUCK.21@73.914,65.127 74.398,65.127 v5(74.422,65.151)
Net5V_BUCK_24: 5V_BUCK.24 5V_BUCK.25 5V_BUCK.26 C50.P$2 L2.1 | length 3.2
  Bottom Layer w0.127: 5V_BUCK.26@73.914,62.627 74.673,62.627 C50.P$2@74.93,62.884 v3@74.687,63.127 ; 5V_BUCK.25@73.914,63.127 v3@74.687,63.127 ; v3(73.914,63.627) v3(74.168,63.627) 74.187,63.627 v3@74.687,63.127
  other v1: 73.914,62.611 74.168,62.611 74.422,62.611 74.676,62.611 74.93,62.611 75.184,62.611 75.438,62.611 75.692,62.611 75.946,62.611 76.2,62.611 76.454,62.611 76.708,62.611 76.962,62.611 77.216,62.611 73.914,62.865 74.168,62.865 74.422,62.865 74.676,62.865 74.93,62.865 75.184,62.865 75.438,62.865 75.692,62.865 75.946,62.865 76.2,62.865 76.454,62.865 76.708,62.865 76.962,62.865 77.216,62.865 73.914,63.119 74.168,63.119 74.422,63.119 74.676,63.119 74.93,63.119 75.184,63.119 75.438,63.119 75.692,63.119 75.946,63.119 76.2,63.119 76.454,63.119 76.708,63.119 76.962,63.119 77.216,63.119 73.914,63.373 74.168,63.373 74.422,63.373 74.676,63.373 74.93,63.373 75.184,63.373 75.438,63.373 75.692,63.373 75.946,63.373 76.2,63.373 76.454,63.373 76.708,63.373 76.962,63.373 77.216,63.373 73.914,63.627 74.168,63.627 74.422,63.627 74.676,63.627 74.93,63.627 75.184,63.627 75.438,63.627 75.692,63.627 75.946,63.627 76.2,63.627 76.454,63.627 76.708,63.627 76.962,63.627 77.216,63.627
  other v2: 73.914,62.611 74.168,62.611 74.422,62.611 74.676,62.611 74.93,62.611 75.184,62.611 75.438,62.611 75.692,62.611 75.946,62.611 76.2,62.611 76.454,62.611 76.708,62.611 76.962,62.611 77.216,62.611 73.914,62.865 74.168,62.865 74.422,62.865 74.676,62.865 74.93,62.865 75.184,62.865 75.438,62.865 75.692,62.865 75.946,62.865 76.2,62.865 76.454,62.865 76.708,62.865 76.962,62.865 77.216,62.865 73.914,63.119 74.168,63.119 74.422,63.119 74.676,63.119 74.93,63.119 75.184,63.119 75.438,63.119 75.692,63.119 75.946,63.119 76.2,63.119 76.454,63.119 76.708,63.119 76.962,63.119 77.216,63.119 73.914,63.373 74.168,63.373 74.422,63.373 74.676,63.373 74.93,63.373 75.184,63.373 75.438,63.373 75.692,63.373 75.946,63.373 76.2,63.373 76.454,63.373 76.708,63.373 76.962,63.373 77.216,63.373 73.914,63.627 74.168,63.627 74.422,63.627 74.676,63.627 74.93,63.627 75.184,63.627 75.438,63.627 75.692,63.627 75.946,63.627 76.2,63.627 76.454,63.627 76.708,63.627 76.962,63.627 77.216,63.627
  other v3: 73.914,62.611 74.168,62.611 74.422,62.611 74.676,62.611 74.93,62.611 75.184,62.611 75.438,62.611 75.692,62.611 75.946,62.611 76.2,62.611 76.454,62.611 76.708,62.611 76.962,62.611 77.216,62.611 73.914,62.865 74.168,62.865 74.422,62.865 74.676,62.865 74.93,62.865 75.184,62.865 75.438,62.865 75.692,62.865 75.946,62.865 76.2,62.865 76.454,62.865 76.708,62.865 76.962,62.865 77.216,62.865 73.914,63.119 74.168,63.119 74.422,63.119 74.676,63.119 74.93,63.119 75.184,63.119 75.438,63.119 75.692,63.119 75.946,63.119 76.2,63.119 76.454,63.119 76.708,63.119 76.962,63.119 77.216,63.119 73.914,63.373 74.168,63.373 74.422,63.373 74.676,63.373 74.93,63.373 75.184,63.373 75.438,63.373 75.692,63.373 75.946,63.373 76.2,63.373 76.454,63.373 76.708,63.373 76.962,63.373 77.216,63.373 74.422,63.627 74.676,63.627 74.93,63.627 75.184,63.627 75.438,63.627 75.692,63.627 75.946,63.627 76.2,63.627 76.454,63.627 76.708,63.627 76.962,63.627 77.216,63.627
Net5V_BUCK_27: 5V_BUCK.27 C50.P$1 | length 1
  Bottom Layer w0.127: 5V_BUCK.27@73.914,62.127 74.887,62.127 C50.P$1@74.93,62.084